# Altium PCB PCB1.PcbDoc (part 1 of 2)
Units mm, origin at the board's own origin, x right, y up, seen from the top; angles counter-clockwise.
Board outline 96.5 x 60 mm, 2 copper layers (Top Layer, Bottom Layer); 83 components, 140 nets, 424 pads, 145 vias.
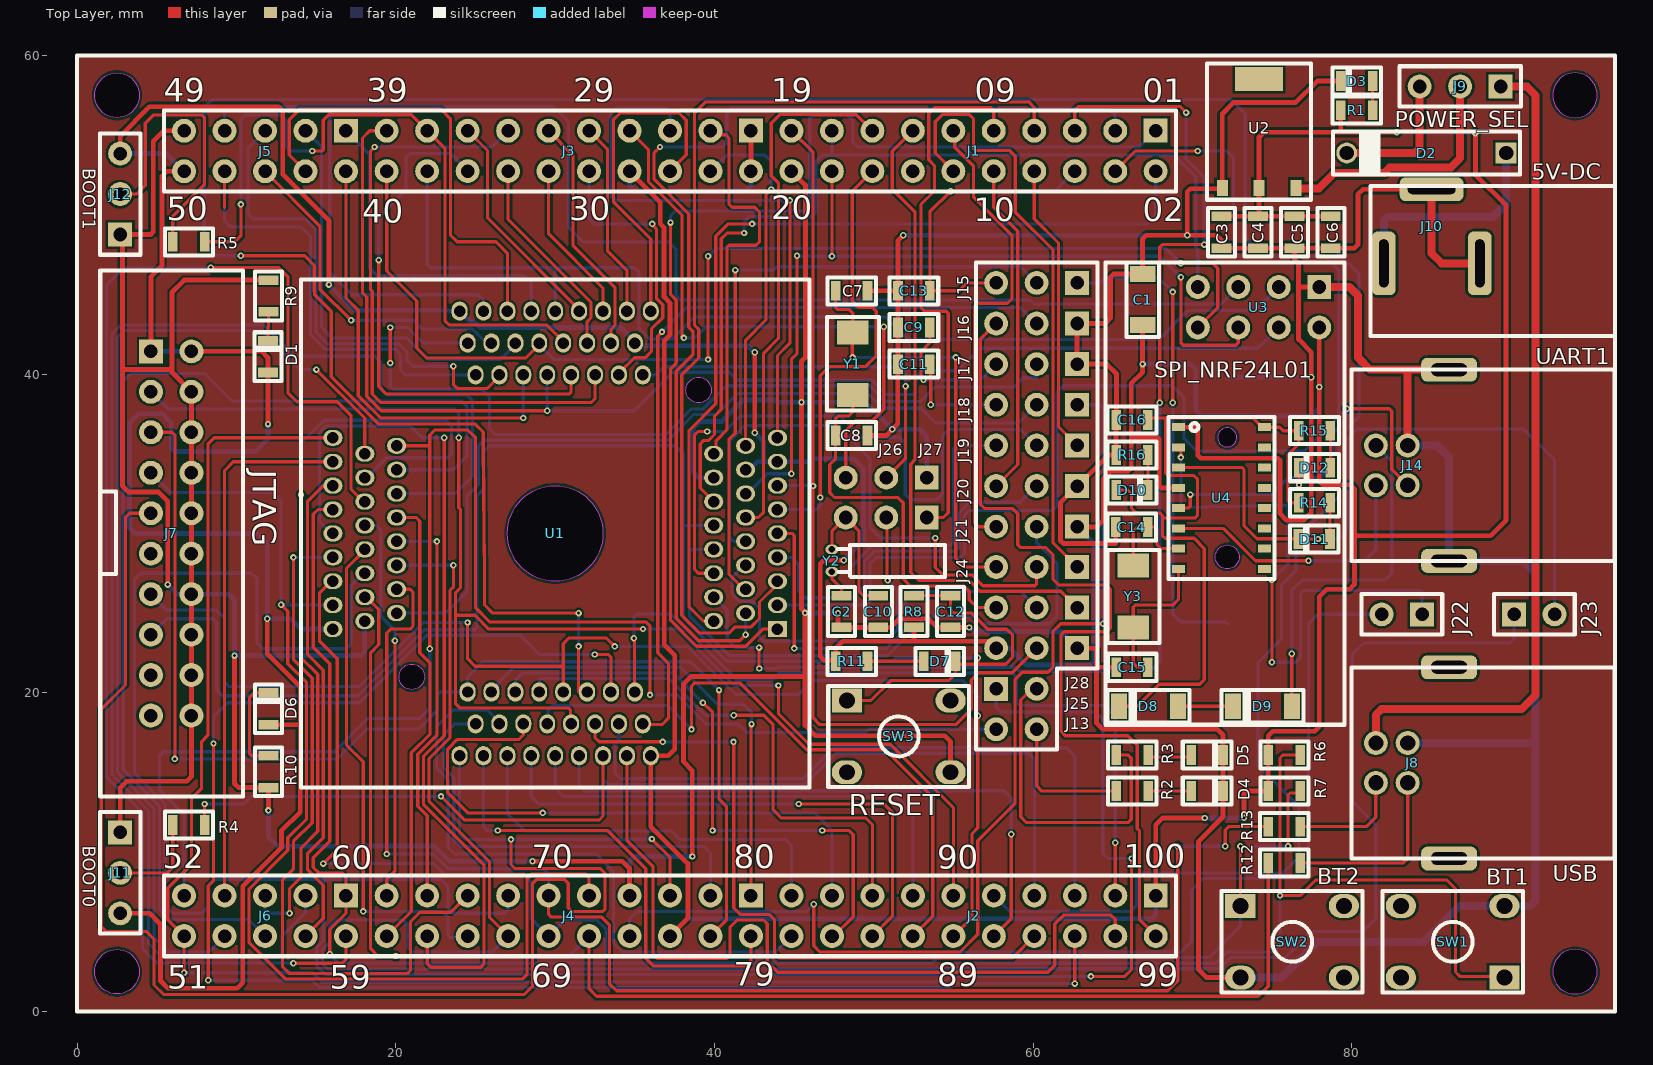
[diagram p0: Top Layer view]
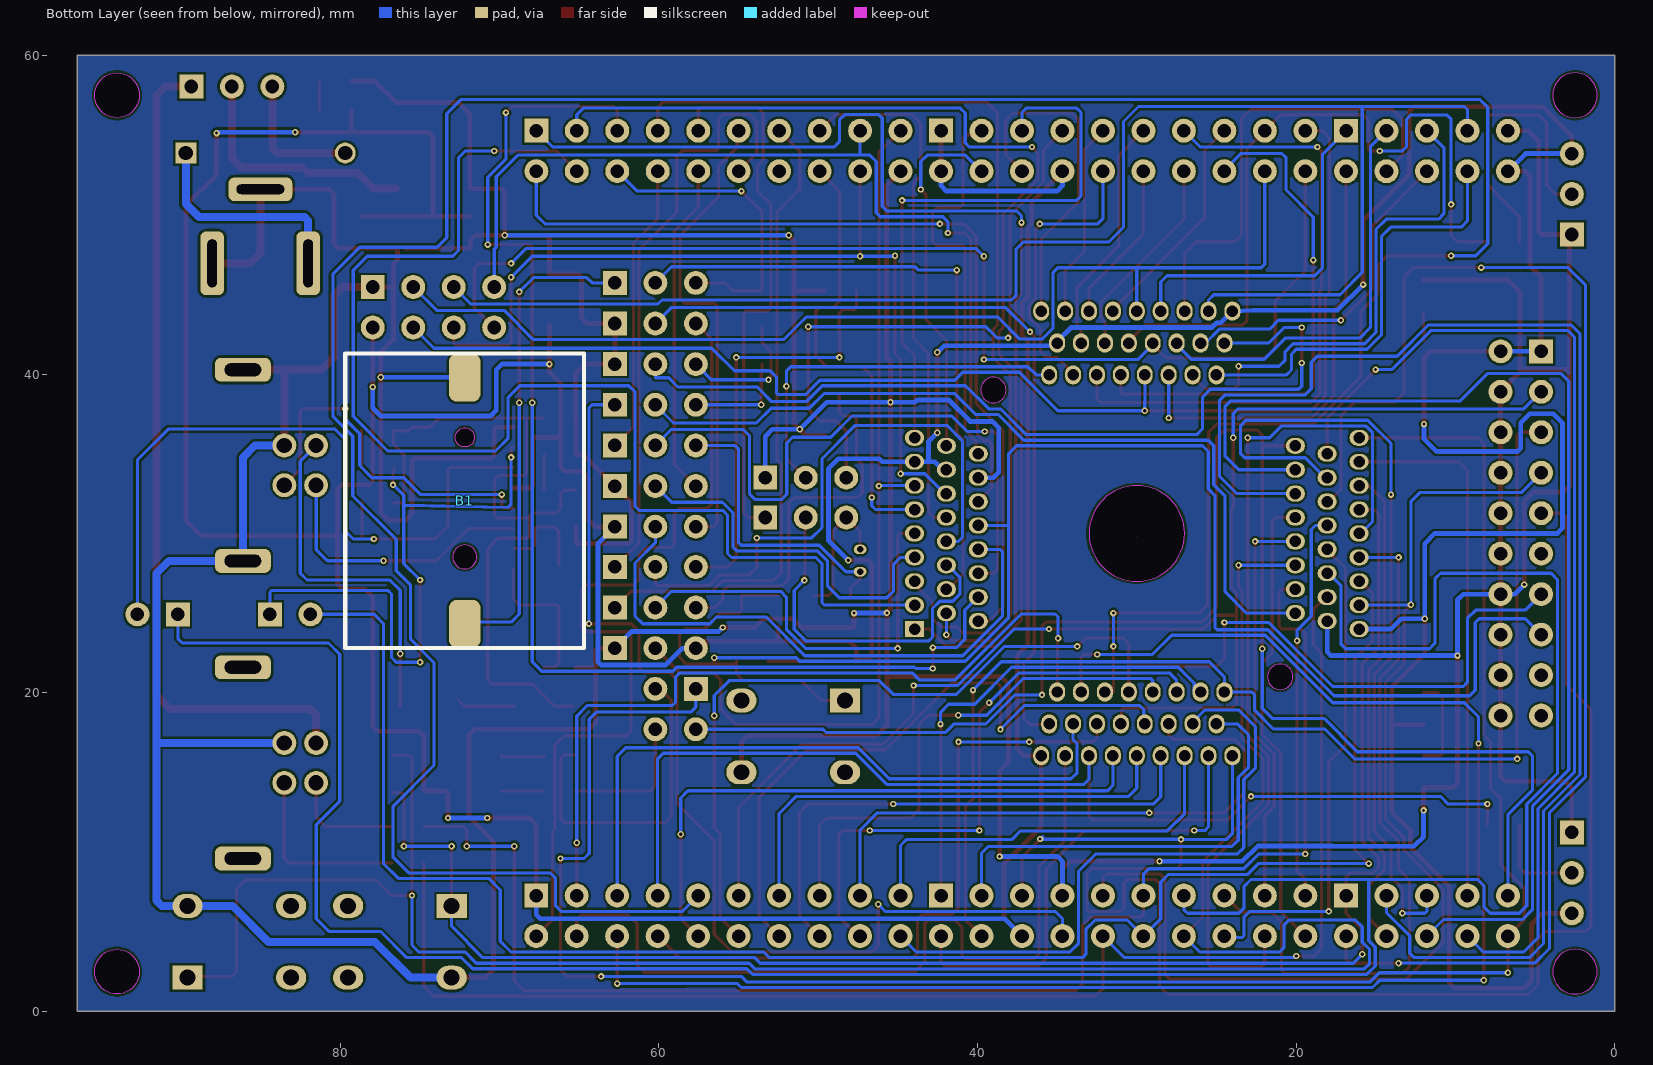
[diagram p1: Bottom Layer view, seen from below]

## Layer stack, top to bottom
Top Solder: solder mask 0.0102, Solder Resist, Dk 3.5
Top Layer: signal copper 0.0356
Dielectric 1: dielectric 0.32, FR-4, Dk 4.8
Bottom Layer: signal copper 0.0356
Bottom Solder: solder mask 0.0102, Solder Resist, Dk 3.5

## Board outline
0,0 0,60 96.5,60 96.5,0
cut-out: 92.6,57.5 ccw(c94,57.5) 94,56.1 ccw(c94,57.5) 95.4,57.5 ccw(c94,57.5) 94,58.9 ccw(c94,57.5)
cut-out: 92.6,2.5 ccw(c94,2.5) 94,1.1 ccw(c94,2.5) 95.4,2.5 ccw(c94,2.5) 94,3.9 ccw(c94,2.5)
cut-out: 2.5,1.1 cw(c2.5,2.5) 1.1,2.5 cw(c2.5,2.5) 2.5,3.9 cw(c2.5,2.5) 3.9,2.5 cw(c2.5,2.5)
cut-out: 2.5,56.1 cw(c2.5,57.5) 1.1,57.5 cw(c2.5,57.5) 2.5,58.9 cw(c2.5,57.5) 3.9,57.5 cw(c2.5,57.5)

## Design rules (kind name [scope] priority, off if disabled: settings)
Clearance [All] p1: gap=0.15 ignorepadtopadclearanceinfootprint=FALSE
PolygonConnect [All] p1: connectstyle=Relief reliefconductorwidth=0.254 reliefentries=4 polygonreliefangle="90 Angle" airgapwidth=0.254
RoutingCorners [All] p1: cornerstyle=45-Degree minsetback=1 maxsetback=1
RoutingTopology [All] p1: topology=Daisy_Balanced
RoutingVias [All] p1: holewidth=0.2 width=0.4 viastyle="Through Hole" minholewidth=0.2 minwidth=0.4 maxholewidth=0.2 maxwidth=0.4
SolderMaskExpansion [All] p1: expansion=0.102
UnpouredPolygon [All] p1: allowunpoured=TRUE allowshelved=TRUE
Width [All] p1: maxlimit=0.5 minlimit=0.2 preferedwidth=0.2
27 further rules are at their usual default settings.

## Components (designator, comment, footprint, x,y, rotation, side; value= is the part's Value field where it differs from the comment)
B1 "Batery" CR1220 72.175,32.225 r180 bottom
C1 "102pF" C1206 66.866,44.675 r90 top
C2 "22pF" C0805#1 47.975,25.1 r270 top
C3 "102pF" C0805#2 75.819,51.904 r270 top
C4 "102pF" C0805#2 78.101,51.904 r270 top
C5 "102pF" C0805#2 80.391,51.904 r270 top
C6 "102pF" C0805#2 82.676,51.904 r270 top
C7 "22pF" C0805#1 48.6,45.225 r0 top
C8 "22pF" C0805#1 48.6,36.144 r0 top
C9 "102pF" C0805#1 52.515,42.925 r180 top
C10 "22pF" C0805#1 50.278,25.1 r270 top
C11 "103" C0805#1 52.515,40.625 r180 top
C12 "103" C0805#1 54.812,25.1 r270 top
C13 "102pF" C0805#1 52.514,45.225 r0 top
C14 "22pF" C0805#1 66.175,30.4 r0 top
C15 "22pF" C0805#1 66.2,21.6 r0 top
C16 "103" C0805#1 66.2,37.125 r180 top
D1 "LED0805" L0805RED 12.6,41.1 r90 top
D2 "1N4007" DO-41 84.675,53.875 r180 top
D3 "LED0805" L0805RED 80.3,59.017 r180 top
D4 "LEDUser" L0805RED 70.909,13.205 r0 top
D5 "LEDUser" L0805RED 70.909,15.478 r0 top
D6 "LED0805" L0805RED 12.625,19 r90 top
D7 "LED0805" L0805RED 54.125,21.35 r0 top
D8 "1N4148" SOD-80 67.225,19.15 r180 top
D9 "1N4148" SOD-80 74.38,19.15 r180 top
D10 "LED0805" L0805RED 66.2,32.1 r0 top
D11 "LED0805" L0805RED 77.625,30.275 r180 top
D12 "LED0805" L0805RED 77.65,34.75 r180 top
J1 "Header 10x2 TH Pitch 2.54mm" "Header 10x2 TH Pitch 2.54mm" 56.255,54.005 r270 top
J2 "Header 10x2 TH Pitch 2.54mm" "Header 10x2 TH Pitch 2.54mm" 56.261,6.005 r270 top
J3 "Header 10x2 TH Pitch 2.54mm" "Header 10x2 TH Pitch 2.54mm" 30.855,54.005 r270 top
J4 "Header 10x2 TH Pitch 2.54mm" "Header 10x2 TH Pitch 2.54mm" 30.855,6.005 r270 top
J5 "Header 5x2 TH Pitch 2.54mm" "Header 5x2 TH Pitch 2.54mm" 11.79,54 r270 top
J6 "Header 5x2 TH Pitch 2.54mm" "Header 5x2 TH Pitch 2.54mm" 11.79,6.005 r270 top
J7 "JTAG" IDC_CONNECTOR_20_2.54 5.9,30 r0 top
J8 "USB" USB-B-TYPE 82.5,15.6 r180 top
J9 "POWER_SEL" "Header 3x1 TH Pitch 2.54mm" 86.79,58.05 r180 top
J10 "5V-DC" DC_JACK_161-0721 88.025,46.95 r90 top
J11 "BOOT0" "Header 3x1 TH Pitch 2.54mm" 2.7,8.7 r270 top
J12 "BOOT1" "Header 3x1 TH Pitch 2.54mm" 2.7,51.3 r90 top
J13 "Header 2x2 TH Pitch 2.54mm" "Header 2x2 TH Pitch 2.54mm" 58.945,18.98 r0 top
J14 "UART1" USB-B-TYPE 82.5,34.275 r180 top
J15 "Header 3x1 TH Pitch 2.54mm" "Header 3x1 TH Pitch 2.54mm" 60.215,45.725 r180 top
J16 "Header 3x1 TH Pitch 2.54mm" "Header 3x1 TH Pitch 2.54mm" 60.215,43.175 r180 top
J17 "Header 3x1 TH Pitch 2.54mm" "Header 3x1 TH Pitch 2.54mm" 60.215,40.625 r180 top
J18 "Header 3x1 TH Pitch 2.54mm" "Header 3x1 TH Pitch 2.54mm" 60.215,38.075 r180 top
J19 "Header 3x1 TH Pitch 2.54mm" "Header 3x1 TH Pitch 2.54mm" 60.215,35.525 r180 top
J20 "Header 3x1 TH Pitch 2.54mm" "Header 3x1 TH Pitch 2.54mm" 60.215,32.975 r180 top
J21 "Header 3x1 TH Pitch 2.54mm" "Header 3x1 TH Pitch 2.54mm" 60.215,30.425 r180 top
J22 "Header 2x1 TH Pitch 2.54mm" "Header 2x1 TH Pitch 2.54mm" 83.13,24.925 r180 top
J23 "Header 2x1 TH Pitch 2.54mm" "Header 2x1 TH Pitch 2.54mm" 91.445,24.925 r0 top
J24 "Header 3x1 TH Pitch 2.54mm" "Header 3x1 TH Pitch 2.54mm" 60.215,27.9 r180 top
J25 "Header 3x1 TH Pitch 2.54mm" "Header 3x1 TH Pitch 2.54mm" 60.215,22.8 r180 top
J26 "Header 3x1 TH Pitch 2.54mm" "Header 3x1 TH Pitch 2.54mm" 50.775,31 r180 top
J27 "Header 3x1 TH Pitch 2.54mm" "Header 3x1 TH Pitch 2.54mm" 50.775,33.5 r180 top
J28 "Header 3x1 TH Pitch 2.54mm" "Header 3x1 TH Pitch 2.54mm" 60.215,25.35 r180 top
R1 "100" R0805#1 81.3,56.564 r0 top
R2 "100" R0805#1 65.21,13.83 r180 top
R3 "100" R0805#1 65.209,16.103 r180 top
R4 "1k" R0805#2 7,11.7 r180 top
R5 "1k" R0805#2 7,48.3 r180 top
R6 "10k" R0805#2 75.75,16.1 r180 top
R7 "10k" R0805#2 75.75,13.83 r180 top
R8 "10K" R0805#1 52.515,24.1 r270 top
R9 "100" R0805#1 12,45.9 r90 top
R10 "100" R0805#1 12,14.05 r270 top
R11 "1K" R0805#1 47.6,21.975 r180 top
R12 "22" R0805#1 74.75,9.325 r180 top
R13 "22" R0805#1 74.75,11.6 r180 top
R14 "1K" R0805#1 78.65,31.925 r0 top
R15 "1K" R0805#1 78.65,36.45 r0 top
R16 "100" R0805#1 65.2,34.925 r180 top
SW1 "BT1" BUTTON_HOLE_5.0mm 86.325,4.375 r270 top
SW2 "BT2" BUTTON_HOLE_5.0mm 76.25,4.375 r90 top
SW3 "RESET" BUTTON_HOLE_5.0mm 51.562,17.265 r90 top
U1 "OTQ-100-0.5-12" "ENPLAS OTQ-100-0.5-12" 30,30 r0 top
U2 "AMS1117" SOT223-3 74.168,55.141 r0 top
U3 "SPI_NRF24L01" nRF24L01 74.138,44.195 r90 top
U4 "CH340G" SOP16_1.27_3.8 71.819,32.225 r0 top
Y1 "8MHz" SMD5032 48.675,42.6 r90 top
Y2 "32.768KHz" DT-26 47.215,28.3 r180 top
Y3 "12MHz" SMD5032 66.275,28 r90 top

## Footprints (in the part's own frame and the unit in brackets; to place one, negate y for a bottom-side part, rotate by r counter-clockwise, add the part's x,y. Pads: shape width x height; smd on the part's side, far side on the other; paste and mask are expansions set on the pad)
BUTTON_HOLE_5.0mm [mm]
  rect 1.5x1.9 hole 1: 1(2.25,3.25)
  oval 1.5x1.9 hole 1: 2(2.25,-3.25) 3(-2.25,3.25) 4(-2.25,-3.25)
  silkscreen extent -3.17,-4.4 3.18,4.43, body extent -3,-3.86 3,3.86, height 5
C0805#1 [mm]
  rect 0.6x1.24 smd: 1(-1,0) 2(1,0)
  silkscreen extent -1.52,-0.85 1.53,0.85, body extent -1,-0.6 1,0.6, height 1
C0805#2 [mm]
  rect 0.6x1.24 smd: 1(2,-4) 2(4,-4)
  silkscreen extent 1.48,-4.85 4.53,-3.15, body extent 2,-4.62 4,-3.37, height 0.58
C1206 [mm]
  rect 1x1.6 smd: 1(-1.6,0) 2(1.6,0)
  silkscreen extent -2.34,-1.02 2.34,1.02, body extent -1.6,-0.8 1.6,0.8, height 0.75
CR1220 [mm]
  rrect50% 2x3 smd: 1(0,-7.9) 2(0,7.55)
  Keep-Out Layer board cut-out: 0,3.2 -0.23,3.246 -0.424,3.376 -0.554,3.57 -0.6,3.8 -0.6,3.8 -0.554,4.03 -0.424,4.224 -0.23,4.354 0,4.4 0,4.4 0.23,4.354 0.424,4.224 0.554,4.03 0.6,3.8 0.6,3.8 0.554,3.57 0.424,3.376 0.23,3.246 0,3.2
  Keep-Out Layer board cut-out: -0.75,-3.7 -0.693,-3.987 -0.53,-4.23 -0.287,-4.393 0,-4.45 0,-4.45 0.287,-4.393 0.53,-4.23 0.693,-3.987 0.75,-3.7 0.75,-3.7 0.693,-3.413 0.53,-3.17 0.287,-3.007 0,-2.95 0,-2.95 -0.287,-3.007 -0.53,-3.17 -0.693,-3.413 -0.75,-3.7
  silkscreen extent -7.5,-9.43 7.5,9.07, body extent -7.5,-9.43 7.5,9.07, height 4.04
DC_JACK_161-0721 [mm]
  rrect50% 4x1.5 hole 0.6 slot 3 at 0 deg: 1(0,6.025) 2(0,0)
  rrect50% 1.5x4 hole 0.6 slot 3 at 90 deg: 3(4.65,3.025)
  silkscreen extent -4.55,-8.47 4.85,6.85, body extent -4.53,-8.5 4.83,6.8, height 11
DO-41 [mm]
  rect 1.3x1.3 hole 0.9: 1(-5,0)
  round 1.3 hole 0.9: 2(5,0)
  silkscreen extent -5.87,-1.36 5.87,1.36, body extent -5.43,-1.36 5.43,1.36, height 3.36
DT-26 [mm]
  oval 0.8x0.6 hole 0.4: 1(-0.15,0.7) 2(-0.15,-0.7)
  silkscreen extent -7.24,-0.98 -0.54,1.02, body extent -7.14,-1 0,1, height 2
"ENPLAS OTQ-100-0.5-12" [mm]
  rect 1.2x1 hole 0.72: 1(13.95,-6)
  oval 1.2x1 hole 0.72: 2(9.95,-5.5) 3(11.95,-5) 4(13.95,-4.5) 5(9.95,-4) 6(11.95,-3.5) 7(13.95,-3) 8(9.95,-2.5) 9(11.95,-2) 10(13.95,-1.5) 11(9.95,-1) 12(11.95,-0.5) 13(13.95,0) 14(9.95,0.5) 15(11.95,1) 16(13.95,1.5) 17(9.95,2) 18(11.95,2.5) 19(13.95,3) 20(9.95,3.5) 21(11.95,4) 22(13.95,4.5) 23(9.95,5) 24(11.95,5.5) 25(13.95,6) 51(-13.95,6) 52(-9.95,5.5) 53(-11.95,5) 54(-13.95,4.5) 55(-9.95,4) 56(-11.95,3.5) 57(-13.95,3) 58(-9.95,2.5) 59(-11.95,2) 60(-13.95,1.5) 61(-9.95,1) 62(-11.95,0.5) 63(-13.95,0) 64(-9.95,-0.5) 65(-11.95,-1) 66(-13.95,-1.5) 67(-9.95,-2) 68(-11.95,-2.5) 69(-13.95,-3) 70(-9.95,-3.5) 71(-11.95,-4) 72(-13.95,-4.5) 73(-9.95,-5) 74(-11.95,-5.5) 75(-13.95,-6)
  oval 1x1.2 hole 0.72: 26(6,13.95) 27(5.5,9.95) 28(5,11.95) 29(4.5,13.95) 30(4,9.95) 31(3.5,11.95) 32(3,13.95) 33(2.5,9.95) 34(2,11.95) 35(1.5,13.95) 36(1,9.95) 37(0.5,11.95) 38(0,13.95) 39(-0.5,9.95) 40(-1,11.95) 41(-1.5,13.95) 42(-2,9.95) 43(-2.5,11.95) 44(-3,13.95) 45(-3.5,9.95) 46(-4,11.95) 47(-4.5,13.95) 48(-5,9.95) 49(-5.5,11.95) 50(-6,13.95) 76(-6,-13.95) 77(-5.5,-9.95) 78(-5,-11.95) 79(-4.5,-13.95) 80(-4,-9.95) 81(-3.5,-11.95) 82(-3,-13.95) 83(-2.5,-9.95) 84(-2,-11.95) 85(-1.5,-13.95) 86(-1,-9.95) 87(-0.5,-11.95) 88(0,-13.95) 89(0.5,-9.95) 90(1,-11.95) 91(1.5,-13.95) 92(2,-9.95) 93(2.5,-11.95) 94(3,-13.95) 95(3.5,-9.95) 96(4,-11.95) 97(4.5,-13.95) 98(5,-9.95) 99(5.5,-11.95) 100(6,-13.95)
  Keep-Out Layer board cut-out: 0,-3 -1.148,-2.772 -2.121,-2.121 -2.772,-1.148 -3,0 -3,0 -2.772,1.148 -2.121,2.121 -1.148,2.772 0,3 0,3 1.148,2.772 2.121,2.121 2.772,1.148 3,0 3,0 2.772,-1.148 2.121,-2.121 1.148,-2.772 0,-3
  Keep-Out Layer board cut-out: 9,8.2 8.694,8.261 8.434,8.434 8.261,8.694 8.2,9 8.2,9 8.261,9.306 8.434,9.566 8.694,9.739 9,9.8 9,9.8 9.306,9.739 9.566,9.566 9.739,9.306 9.8,9 9.8,9 9.739,8.694 9.566,8.434 9.306,8.261 9,8.2
  Keep-Out Layer board cut-out: -9,-9.8 -9.306,-9.739 -9.566,-9.566 -9.739,-9.306 -9.8,-9 -9.8,-9 -9.739,-8.694 -9.566,-8.434 -9.306,-8.261 -9,-8.2 -9,-8.2 -8.694,-8.261 -8.434,-8.434 -8.261,-8.694 -8.2,-9 -8.2,-9 -8.261,-9.306 -8.434,-9.566 -8.694,-9.739 -9,-9.8
  Keep-Out Layer board cut-out: 0.027,-0.163
  silkscreen extent -15.95,-15.95 15.95,15.95
"Header 2x1 TH Pitch 2.54mm" [mm]
  rect 1.5x1.5 hole 0.85: 1(-1.27,0)
  round 1.5 hole 0.85: 2(1.27,0)
  body extent -2.54,-1.27 2.54,1.27, height 8.89
"Header 2x2 TH Pitch 2.54mm" [mm]
  rect 1.5x1.5 hole 0.85: 1(-1.27,1.27)
  round 1.5 hole 0.85: 2(1.27,1.27) 3(-1.27,-1.27) 4(1.27,-1.27)
  body extent -2.54,-2.54 2.54,2.54, height 8.89
"Header 3x1 TH Pitch 2.54mm" [mm]
  rect 1.5x1.5 hole 0.85: 1(-2.54,0)
  round 1.5 hole 0.85: 2(0,0) 3(2.54,0)
  body extent -3.81,-1.27 3.81,1.27, height 8.89
"Header 5x2 TH Pitch 2.54mm" [mm]
  rect 1.5x1.5 hole 0.85: 1(-1.27,5.08)
  round 1.5 hole 0.85: 2(1.27,5.08) 3(-1.27,2.54) 4(1.27,2.54) 5(-1.27,0) 6(1.27,0) 7(-1.27,-2.54) 8(1.27,-2.54) 9(-1.27,-5.08) 10(1.27,-5.08)
  body extent -2.54,-6.35 2.54,6.35, height 8.89
"Header 10x2 TH Pitch 2.54mm" [mm]
  rect 1.5x1.5 hole 0.85: 1(-1.27,11.43)
  round 1.5 hole 0.85: 2(1.27,11.43) 3(-1.27,8.89) 4(1.27,8.89) 5(-1.27,6.35) 6(1.27,6.35) 7(-1.27,3.81) 8(1.27,3.81) 9(-1.27,1.27) 10(1.27,1.27) 11(-1.27,-1.27) 12(1.27,-1.27) 13(-1.27,-3.81) 14(1.27,-3.81) 15(-1.27,-6.35) 16(1.27,-6.35) 17(-1.27,-8.89) 18(1.27,-8.89) 19(-1.27,-11.43) 20(1.27,-11.43)
  body extent -2.54,-12.7 2.54,12.7, height 8.89
IDC_CONNECTOR_20_2.54 [mm]
  rect 1.5x1.5 hole 0.85: 1(-1.27,11.43)
  round 1.5 hole 0.85: 2(1.27,11.43) 3(-1.27,8.89) 4(1.27,8.89) 5(-1.27,6.35) 6(1.27,6.35) 7(-1.27,3.81) 8(1.27,3.81) 9(-1.27,1.27) 10(1.27,1.27) 11(-1.27,-1.27) 12(1.27,-1.27) 13(-1.27,-3.81) 14(1.27,-3.81) 15(-1.27,-6.35) 16(1.27,-6.35) 17(-1.27,-8.89) 18(1.27,-8.89) 19(-1.27,-11.43) 20(1.27,-11.43)
  silkscreen extent -4.45,-16.5 4.5,16.5, body extent -4.47,-16.6 4.42,16.6, height 9
L0805RED [mm]
  rect 0.6x1.24 smd: 1(-1,0.625) 2(1,0.625)
  silkscreen extent -1.53,-0.23 1.52,1.47, body extent -1,0 1,1.25, height 1.1
nRF24L01 [mm]
  rect 1.5x1.5 hole 0.85: 1(1.27,-3.81)
  round 1.5 hole 0.85: 2(-1.27,-3.81) 3(1.27,-1.27) 4(-1.27,-1.27) 5(1.27,1.27) 6(-1.27,1.27) 7(1.27,3.81) 8(-1.27,3.81)
  silkscreen extent -26.2,-5.4 2.8,9.6, body extent -26.2,-5.4 2.8,9.6, height 11.02
R0805#1 [mm]
  rect 0.6x1.24 smd: 1(-2,0) 2(0,0)
  silkscreen extent -2.52,-0.85 0.52,0.85, body extent -2,-0.62 0,0.62, height 0.45
R0805#2 [mm]
  rect 0.6x1.24 smd: 1(-1,0) 2(1,0)
  silkscreen extent -1.53,-0.85 1.5,0.85, body extent -1,-0.62 1,0.63, height 0.45
SMD5032 [mm]
  rect 1.5x2 smd: 1(-3.9,0) 2(0,0)
  silkscreen extent -4.87,-1.65 0.97,1.62, body extent -4.45,-1.6 0.55,1.6, height 1.2
SOD-80 [mm]
  rect 1x1.6 smd: 1(-1.85,0) 2(1.85,0)
  silkscreen extent -2.58,-1.03 2.57,1.03, body extent -1.82,-0.8 1.88,0.8, height 1.6
SOP16_1.27_3.8 [mm]
  rect 0.8x0.5 smd: 1(-2.7,4.445) 2(-2.7,3.175) 3(-2.7,1.905) 4(-2.7,0.635) 5(-2.7,-0.635) 6(-2.7,-1.905) 7(-2.7,-3.175) 8(-2.7,-4.445) 9(2.7,-4.445) 10(2.7,-3.175) 11(2.7,-1.905) 12(2.7,-0.635) 13(2.7,0.635) 14(2.7,1.905) 15(2.7,3.175) 16(2.7,4.445)
  silkscreen extent -3.32,-5.08 3.33,5.08, body extent -3.12,-4.99 3.12,4.99, height 1.59
SOT223-3 [mm]
  rect 0.7x1 smd: 1(-2.3,-3.475) 2(0,-3.45) 3(2.325,-3.45)
  rect 3x1.5 smd: 4(0,3.375)
  silkscreen extent -3.25,-4.2 3.25,4.35, body extent -3.25,-3.5 3.25,3.5, height 1.7
USB-B-TYPE [mm]
  round 1.5 hole 0.95: 1(1,-1.25) 2(1,1.25) 3(-1,1.25) 4(-1,-1.25)
  rrect50% 3.5x1.5 hole 0.8 slot 2.3 at 0 deg: S1(-3.6,6) S2(-3.6,-6)
  silkscreen extent -13.98,-6 2.52,6, body extent -13.97,-7.42 2.53,7.37, height 11

## Part data
C1 C3 C4 C5 C6 C7 C9 C13: library part Capacitors(SMD)
C2 C8 C10 C11 C12 C14 C15 C16: library part C0805
D4 D5: library part LED0805
D8 D9: library part "1N4148 (SOD-80)"
J7: library part IDC_2.54_10x2
J8 J14: library part "USB B Type"
J9 J11 J12: library part "Header 3x1 TH Pitch 2.54mm"
J10: library part JackDC
R1 R2 R3 R8 R14 R15 R16: library part R0805
R4 R5 R6 R7 R9 R10 R11 R12 R13: library part "Resistor SMD"
SW1 SW2 SW3: library part "Button Hole"
U1: library part "ENPLAS OTQ-100-0.5-12"
U2: library part AMS1117(SOT-223)
U3: library part nRF24L01
Y1 Y3: library part Crystal
Y2: library part "Crystal 32.768KHz"

## Via types
v1: diameter 0.4, hole 0.2, Top Layer to Bottom Layer, 145 vias

## Nets (pads, with @x,y where several pads share a name; then routed paths per layer and width w, separated by ;. In a path a pad name is that pad's centre, name@x,y a point inside that pad or via, vN(x,y) a via of type N, cw(c..) or ccw(c..) an arc to the next point about the centre after c; other vN are vias at no path point)
CE: J3.18 U1.38 U3.3 | length 68.5
  Bottom Layer w0.2: J3.18@21.965,52.735 21.965,46.894 22.183,46.676 30,46.676 ; U1.38@30,43.95 30,46.676 ; U3.3@75.408,45.465 73.943,44 69.704,44 67.868,42.164 52.171,42.164 50.748,43.586 38.731,43.586 37.342,42.197 35.947,42.197 35.25,42.893 35.25,46.38 34.955,46.676 30,46.676
CSN: J3.19 U1.39 U3.4 | length 81.8
  Top Layer w0.2: J3.19@19.425,55.275 18.363,55.275 17.906,54.818 17.906,45.107 18.172,44.841 18.172,38.608 19.085,37.695 v1(29.5,37.695)
  Bottom Layer w0.2: U1.39@29.5,39.95 29.487,39.938 29.487,38.312 29.5,38.3 v1(29.5,37.695) 34.951,37.695 37.368,40.112 40.924,40.112 41.418,39.618 49.888,39.618 50.79,38.716 52.522,38.716 52.615,38.809 52.615,39.81 53.012,40.207 55.249,40.207 56.667,41.625 74.108,41.625 U3.4@75.408,42.925
GND: B1.2 C1.2 C2.2 C3.2 C4.2 C5.2 C6.2 C7.2 C8.2 C9.2 C10.2 C11.2 C12.2 C13.1 C14.1 C15.1 C16.2 D3.2 D4.2 D5.2 J1.20 J4.7 J5.9 J7.4 J7.6 J7.8 J7.10 J7.12 J7.14 J7.16 J7.18 J7.20 J8.4 J10.2 J10.3 J11.1 J12.1 J14.4 J14.S1 J14.S2 J16.1 J17.1 J20.1 J25.1 J27.1 R9.2 R10.2 R16.2 SW1.3 SW2.3 SW3.4 U1.20 U1.74 U2.1 U3.1 U4.1 | length 520.2
  Top Layer w0.3: J11.1@2.7,11.24 2.7,14.05 3.1,14.45 6.888,14.45 7.17,14.732 J7.20@7.17,18.57 J7.18@7.17,21.11 J7.16@7.17,23.65 J7.14@7.17,26.19 J7.12@7.17,28.73 J7.10@7.17,31.27 J7.8@7.17,33.81 J7.6@7.17,36.35 J7.4@7.17,38.89 5.952,40.109 5.952,40.284 ; J12.1@2.7,48.76 J12.1@2.844,48.76 ; v1(5.689,26.787) 5.689,32.017 5.108,32.598 3.229,32.598 2.844,32.983 2.844,40.284 ; J5.9@6.71,55.27 5.425,55.27 4.775,54.62 4.775,48.925 4.61,48.76 J12.1@2.844,48.76 ; v1(9.875,22.333) 9.875,14.305 10.13,14.05 R10.2@12,14.05 v1(12,12.617) ; R9.2@12,45.9 6.71,45.9 5.952,45.142 5.952,40.284 ; v1(28.574,9.423) 34.208,9.423 34.665,8.966 J4.7@34.665,7.275 ; v1(38.607,9.728) 38.607,15.118 38.056,15.67 38.056,20.556 38.518,21.018 45.686,21.018 v1(45.686,25.014) 45.686,25.041 45.458,25.269 v1(45.458,38.231) 45.458,40.801 45.7,41.043 45.7,51.86 J1.20@44.825,52.735 ; 45.686,20.96 45.686,17.948 46.331,17.303 54.433,17.303 54.812,16.925 SW3.4@54.812,15.015 ; v1(47.751,25) 47.751,24.1 C2.2@47.975,24.1 C10.2@50.279,24.1 51.049,24.1 51.602,24.653 53.421,24.653 53.974,24.1 C12.2@54.812,24.1 v1(55.99,24.1) ; C8.2@49.6,36.145 50.766,36.145 v1(51.155,36.534) 51.494,36.873 51.494,40.604 C11.2@51.515,40.625 C9.2@51.515,42.925 C13.1@51.515,45.225 ; C7.2@49.6,45.225 50.545,45.225 ; 50.545,45.225 C13.1@51.515,45.225 51.515,48.391 v1(51.841,48.717) ; J25.1@62.755,22.8 63.805,22.8 63.978,22.627 63.978,21.6 ; C14.1@65.175,30.4 65.175,29.375 61.881,29.375 61.705,29.551 61.705,31.925 J20.1@62.755,32.975 64.695,34.915 64.695,34.925 R16.2@65.175,34.925 ; C15.1@65.2,21.6 63.978,21.6 ; R16.2@65.2,34.925 65.2,37.05 65.175,37.075 65.225,37.125 65.225,40.022 64.622,40.625 J17.1@62.755,40.625 J16.1@62.755,43.175 64.505,43.175 64.845,43.515 64.845,46.076 65.045,46.275 C1.2@66.866,46.275 66.866,48.491 67.092,48.718 67.258,48.718 v1(69.671,48.717) ; U4.1@69.119,36.67 70.211,36.67 70.328,36.553 70.328,34.894 70.503,34.719 75.358,34.719 75.488,34.588 75.488,31.233 75.888,30.834 76.984,30.834 77.448,31.298 77.448,39.798 v1(77.45,39.8) 77.45,41.375 76.65,42.175 76.65,45.465 ; U2.1@71.868,51.636 69.868,51.636 69.671,51.439 v1(69.671,48.717) ; U2.1@71.868,51.666 71.868,56.322 72.596,57.05 76.477,57.05 77.819,58.392 D3.2@79.3,58.392 ; SW2.3@73,2.125 70.879,2.125 70.375,2.629 70.375,10.673 71.909,12.207 D4.2@71.909,13.83 D5.2@71.909,16.103 71.909,17.356 71.555,17.71 64.359,17.71 63.978,18.092 63.978,21.6 ; C5.2@75.946,47.904 C4.2@74.101,47.904 C3.2@71.819,47.904 71.819,48.409 71.51,48.717 v1(69.671,48.717) ; U3.1@77.948,45.465 76.65,45.465 ; J14.S1@84.505,28.275 J14.S1@86.1,28.275 ; J10.3@85,51.6 80.7,51.6 80.375,51.275 80.375,48.125 80.154,47.904 C6.2@78.677,47.904 C5.2@76.391,47.904 76.391,47.211 76.65,46.952 76.65,45.465 ; SW1.3@88.747,6.625 SW1.3@89.575,6.625 ; 2.844,40.284 J12.1@2.844,48.76 ; 2.844,40.284 5.952,40.284
  Top Layer w0.5: U3.1@77.948,45.465 79.85,45.465 80.375,44.94 80.375,41.046 81.146,40.275 83.5,40.275 ; J14.4@83.5,35.525 83.5,40.275 ; J10.3@85,51.6 85,47.582 85.632,46.95 J10.2@88.025,46.95 ; J14.S2@86.1,40.275 83.5,40.275
  Bottom Layer w0.3: v1(5.689,26.787) 6.286,26.19 J7.14@7.17,26.19 9.519,26.19 9.875,25.834 v1(9.875,22.333) 17.823,22.333 18.05,22.561 U1.74@18.05,24.5 ; v1(12,12.617) 12,10.98 12.617,10.363 17.718,10.363 17.735,10.381 22.415,10.381 23.372,9.423 v1(28.574,9.423) ; J4.7@34.665,7.275 34.665,9.419 34.975,9.728 v1(38.607,9.728) ; U1.20@39.95,33.5 39,33.5 38.668,33.832 38.668,36.619 39.077,37.028 40.466,37.028 41.817,38.379 43.769,38.379 43.917,38.231 v1(45.458,38.231) 49.458,38.231 v1(51.155,36.534) 52.866,36.534 53.315,36.085 J27.1@53.315,33.5 ; v1(45.686,25.014) 47.737,25.014 v1(47.751,25) ; v1(51.841,48.717) v1(69.671,48.717) ; v1(55.99,24.1) 56.24,23.851 61.704,23.851 J25.1@62.755,22.8 ; B1.2@72.175,39.775 72.175,39.751 72.224,39.8 v1(77.45,39.8)
  Bottom Layer w0.5: SW2.3@73,2.125 75.575,2.125 77.819,4.369 84.484,4.369 86.74,6.625 SW1.3@89.575,6.625 91.185,6.625 91.525,6.965 91.525,16.85 ; J8.4@83.5,16.85 91.525,16.85 ; J14.4@83.5,35.525 85.349,35.525 86.1,34.774 J14.S1@86.1,28.275 90.75,28.275 91.525,27.5 91.525,16.85
IRQ: J3.20 U1.40 U3.8 | length 74.8
  Top Layer w0.2: J3.20@19.425,52.735 19.425,46.468 21.306,44.587 21.306,41.636 21.933,41.01 28.16,41.01 29,41.85 U1.40@29,41.95 ; v1(39.598,40.919) v1(39.598,47.396) ; v1(69.265,46.95) 71.26,46.95 71.575,46.635 71.575,44.172 U3.8@70.328,42.925
  Bottom Layer w0.2: U1.40@29,41.95 29,41.85 29.943,40.907 39.585,40.907 v1(39.598,40.919) ; v1(39.598,47.396) 40.079,47.877 68.338,47.877 v1(69.265,46.95)
JNRST: J2.11 J7.3 U1.90 | length 89.3
  Top Layer w0.2: v1(23.951,36) 23.951,31.617 24.06,31.509 24.06,26.588 23.75,26.278 23.75,24.867 ; U1.90@31,18.05 30.966,18.084 30.966,18.898 30.814,19.05 24,19.05 23.75,19.3 23.75,24.867 ; v1(35.508,24) 25.833,24 24.967,24.867 23.75,24.867 ; v1(44.005,20.46) 44.005,18.701 45.93,16.775 51.015,16.775 54.991,12.799 J2.11@54.991,7.275
  Bottom Layer w0.2: J7.3@4.63,38.89 5.707,37.813 23.648,37.813 23.951,37.51 v1(23.951,36) ; v1(35.508,24) 37.707,24 41.247,20.46 v1(44.005,20.46)
JTCK: J4.5 J7.9 U1.76 | length 103
  Top Layer w0.2: J7.9@4.63,31.27 3.285,31.27 3.036,31.021 3.036,20.488 1.51,18.962 1.51,5.316 1.801,5.026 4.339,5.026 4.825,4.54 4.825,1.664 5.427,1.063 28.047,1.063 28.585,1.601 28.585,8.059 28.8,8.273 29.149,8.273 29.151,8.275 30.609,8.275 30.825,8.059 30.825,6.505 31.055,6.275 32.992,6.275 33.125,6.408 33.125,8.687 32.837,8.975 28.762,8.975 28.761,8.973 27.479,8.973 27.228,9.224 v1(27.228,10.801) ; v1(36.067,10.82) 37.205,9.683 J4.5@37.205,7.275
  Bottom Layer w0.2: U1.76@24,16.05 24,11.154 24.353,10.801 v1(27.228,10.801) 27.238,10.811 36.057,10.811 v1(36.067,10.82) 35.908,10.98
JTDI: J4.4 J7.5 U1.77 | length 76.5
  Top Layer w0.2: J7.5@4.63,36.35 5.952,36.35 6.139,36.163 6.139,15.868 v1(6.121,15.85) ; J4.4@39.745,4.735 40.745,5.735 40.745,12.869 40.284,13.331 v1(40.284,20.168)
  Bottom Layer w0.2: v1(6.121,15.85) 6.125,15.846 16.321,15.846 18.205,17.729 21.427,17.729 22.605,18.907 22.605,19.869 22.786,20.05 U1.77@24.5,20.05 24.5,20.999 25.453,21.951 38.5,21.951 v1(40.284,20.168)
JTDO: J2.12 J7.13 U1.89 | length 81.9
  Top Layer w0.2: v1(24.505,24.409) 24.505,22.127 24.967,21.665 30.5,21.665 ; U1.89@30.5,20.05 30.5,21.665 ; v1(33.735,22.911) 33.206,23.44 30.851,23.44 30.5,23.089 30.5,21.665 ; J2.12@54.991,4.735 56.164,5.908 56.164,11.171 56.514,11.521 v1(56.514,18.558)
  Bottom Layer w0.2: J7.13@4.63,26.19 5.63,25.19 8.725,25.19 9.25,24.665 9.25,20.665 9.519,20.396 17.714,20.396 21.727,24.409 v1(24.505,24.409) ; v1(33.735,22.911) 38.301,22.911 41.313,19.898 45.289,19.898 46.157,20.767 55.575,20.767 56.514,19.827 v1(56.514,18.558)
JTMS: J4.9 J7.7 U1.72 | length 71.8
  Top Layer w0.2: v1(12.801,25.527) 13.22,25.108 13.22,21.826 14.398,20.648 14.398,12.081 13.22,10.903 13.22,10.119 10.79,7.689 10.79,4.321 13.068,2.043 27.952,2.043 28.235,2.327 28.235,8.338 28.52,8.623 28.906,8.623 28.907,8.625 31.916,8.625 32.125,8.416 J4.9@32.125,7.275
  Bottom Layer w0.2: J7.7@4.63,33.81 5.877,32.563 12.238,32.563 12.801,32 v1(12.801,25.527) ; v1@12.801,25.5 U1.72@16.05,25.5
MISO: J1.17 U1.17 U3.7 | length 60.9
  Top Layer w0.2: U1.17@39.95,32 39.1,32.85 39.1,35.611 39.329,35.839 39.628,35.839 39.997,36.208 39.997,37.356 40.426,37.785 40.426,48.494 40.786,48.854 v1(41.858,48.854)
  Bottom Layer w0.2: v1(41.858,48.854) 41.858,49.563 42.174,49.878 46.106,49.878 46.354,50.127 46.354,53.34 46.761,53.746 47.365,53.746 ; J1.17@47.365,55.275 47.365,53.746 ; U3.7@70.328,45.465 70.328,47.832 70.205,47.955 70.205,52.38 68.838,53.746 47.365,53.746
MOSI: J1.18 U1.18 U3.6 | length 56
  Top Layer w0.2: v1(44.825,33.75) 44.825,40.919 45.177,41.272 v1(45.177,47.427) ; v1(47.365,47.396) J1.18@47.365,52.735 ; v1(69.265,46.076) 69.265,41.963 69.419,41.808 72.705,41.808 72.868,41.971 U3.6@72.868,42.925
  Bottom Layer w0.2: U1.18@41.95,32.5 42.05,32.5 43.3,33.75 v1(44.825,33.75) ; v1(45.177,47.427) 45.208,47.396 v1(47.365,47.396) 67.944,47.396 v1(69.265,46.076)
NetB1_1: B1.1 J15.1 | length 30.4
  Top Layer w0.2: v1(68.757,38.202) v1(68.757,45.161)
  Bottom Layer w0.2: J15.1@62.755,45.725 64.186,45.725 64.517,46.056 67.862,46.056 v1(68.757,45.161) ; v1(68.757,38.202) 68.757,24.943 69.265,24.435 72.065,24.435 B1.1@72.175,24.325
NetC2_1: C2.1 J19.3 Y2.1 | length 18.8
  Top Layer w0.2: Y2.1@47.365,27.6 47.365,27.153 47.973,26.545 47.975,26.545 C2.1@47.975,26.1
  Bottom Layer w0.2: Y2.1@47.365,27.6 48.259,27.6 49.923,29.264 54.835,29.264 54.989,29.417 54.989,35.271 55.243,35.525 J19.3@57.675,35.525
NetC7_1: C7.1 J24.3 Y1.2 | length 26.9
  Top Layer w0.2: C7.1@47.6,45.225 47.6,44.176 47.726,44.05 48.455,44.05 48.675,43.83 Y1.2@48.675,42.6 48.64,42.565 48.64,41.069 v1(48.663,41.046) ; v1(55.143,41.046) 55.143,28.425 55.668,27.9 J24.3@57.675,27.9
  Bottom Layer w0.2: v1(48.663,41.046) v1(55.143,41.046)
NetC8_1: C8.1 J28.3 Y1.1 | length 23.7
  Top Layer w0.2: Y1.1@48.675,38.7 48.675,37.634 48.411,37.37 47.751,37.37 47.6,37.219 C8.1@47.6,36.145 47.6,34.69 47.235,34.325 47.235,32.551 47.528,32.258 51.502,32.258 51.841,31.919 51.841,27.153 52.298,26.695 55.656,26.695 55.99,26.361 55.99,25.835 56.475,25.35 J28.3@57.675,25.35
NetC9_1: C9.1 J17.3 | length 8.5
  Top Layer w0.2: v1(53.111,39.649) 52.958,39.802 52.958,41.405 53.515,41.961 C9.1@53.515,42.925
  Bottom Layer w0.2: v1(53.111,39.649) 56.699,39.649 J17.3@57.675,40.625
NetC10_1: C10.1 J26.3 Y2.2 | length 8.7
  Top Layer w0.2: Y2.2@47.365,29 47.365,30.13 J26.3@48.235,31 49.058,30.177 49.058,26.392 49.35,26.1 C10.1@50.279,26.1
NetC11_1: C11.1 J18.3 | length 6.7
  Top Layer w0.2: C11.1@53.515,40.625 53.515,40.107 53.568,40.053 v1(53.568,38.075)
  Bottom Layer w0.2: v1(53.568,38.075) J18.3@57.675,38.075
NetC14_2: C14.2 U4.7 Y3.2 | length 6.2
  Top Layer w0.2: Y3.2@66.275,28 66.275,30.149 66.526,30.4 C14.2@67.175,30.4 67.642,30.4 67.759,30.283 67.759,29.307 68.016,29.05 U4.7@69.119,29.05
NetC15_2: C15.2 U4.8 Y3.1 | length 9.5
  Top Layer w0.2: C15.2@67.2,21.6 67.191,21.609 66.516,21.609 66.275,21.851 Y3.1@66.275,24.1 66.275,25.383 66.392,25.5 68.757,25.5 69.113,25.856 69.113,27.78 U4.8@69.119,27.78
NetC16_1: C16.1 D8.2 D10.1 R14.1 R15.1 U4.16 | length 48
  Top Layer w0.2: D10.1@65.2,32.725 65.941,32.725 66.166,32.5 66.166,31.572 66.446,31.293 67.944,31.293 68.109,31.128 68.109,30.963 ; D8.2@65.375,19.15 66.52,19.15 67.91,20.539 70.45,20.539 70.738,20.828 70.738,29.05 70.096,29.693 68.274,29.693 68.109,29.857 68.109,30.963 ; C16.1@67.2,37.125 67.311,37.236 68.31,37.236 ; R14.1@76.65,31.925 76.113,31.925 75.996,32.042 75.996,34.95 76.65,35.604 R15.1@76.65,36.45 75.683,36.45 75.463,36.67 U4.16@74.519,36.67 74.37,36.67 73.804,37.236 68.31,37.236 ; 68.109,30.963 70.135,30.963 70.299,31.127 70.299,33.42 70.09,33.63 68.469,33.63 68.31,33.789 68.31,37.236
NetD1_2: D1.2 R9.1 | length 1.8
  Top Layer w0.2: D1.2@11.975,42.1 11.975,42.977 12,43.002 R9.1@12,43.9
NetD2_1: D2.1 J10.1 | length 14
  Bottom Layer w0.5: J10.1@82,46.95 82,49.626 82.234,49.86 88.862,49.86 89.675,50.673 D2.1@89.675,53.875
NetD2_2: D2.2 J9.3 | length 8.6
  Top Layer w0.5: D2.2@79.675,53.875 83.957,53.875 84.25,54.168 J9.3@84.25,58.05
NetD3_1: D3.1 R1.2 | length 1.8
  Top Layer w0.2: R1.2@81.3,56.564 D3.1@81.3,58.392
NetD4_1: D4.1 R2.1 | length 2.7
  Top Layer w0.2: R2.1@67.21,13.83 D4.1@69.909,13.83
NetD5_1: D5.1 R3.1 | length 3
  Top Layer w0.2: R3.1@67.21,16.103 67.21,15.965 69.909,15.965 D5.1@69.909,16.103
NetD6_2: D6.2 R10.1 | length 6.1
  Top Layer w0.2: R10.1@12,16.05 10.942,16.05 10.825,16.167 10.825,19.708 11.117,20 D6.2@12,20
NetD7_1: D7.1 R11.1 | length 3.5
  Top Layer w0.2: R11.1@49.6,21.975 D7.1@53.125,21.975
NetD8_1: D8.1 D9.2 | length 3.7
  Top Layer w0.2: D8.1@69.075,19.15 72.204,19.15 D9.2@72.599,19.545
NetD9_1: D9.1 J14.1 | length 22.5
  Top Layer w0.2: D9.1@76.225,19.1 v1(76.225,22.454)
  Bottom Layer w0.2: v1(76.225,22.454) 76.225,26.425 76.876,27.076 82.076,27.076 82.5,27.5 82.5,34.525 J14.1@81.5,35.525
NetD10_2: D10.2 R16.1 | length 2.2
  Top Layer w0.2: D10.2@67.2,32.725 R16.1@67.2,34.925
NetD11_1: D11.1 R14.2 | length 2.3
  Top Layer w0.2: D11.1@78.625,29.65 78.625,31.9 R14.2@78.65,31.925
NetD11_2: D11.2 J23.2 U4.3 | length 44.3
  Top Layer w0.2: U4.3@69.119,34.13 73.11,34.13 73.227,34.013 73.227,30.48 74.04,29.667 76.625,29.667 D11.2@76.625,29.65 ; D11.2@76.625,29.65 v1(77.88,29.65)
  Bottom Layer w0.2: v1(77.88,29.65) 79.175,29.65 79.675,30.15 79.675,35.906 80.32,36.551 90.779,36.551 92.715,34.615 J23.2@92.715,24.925
NetD12_1: D12.1 R15.2 | length 2.3
  Top Layer w0.2: D12.1@78.65,34.125 78.65,35.281 R15.2@78.65,36.45
NetD12_2: D12.2 J22.1 U4.2 | length 38.6
  Top Layer w0.2: U4.2@69.119,35.4 69.265,35.4 v1(69.265,34.773) ; v1(74.98,21.92) v1(74.98,27.076) ; D12.2@76.65,34.125 76.52,33.995 76.675,33.839 v1(76.675,33.05)
  Bottom Layer w0.2: v1(69.265,34.773) 69.265,31.83 69.457,31.638 76.008,31.771 ; v1(74.98,21.92) 76.479,21.92 76.775,22.217 76.775,26.199 77.001,26.425 84.283,26.425 84.4,26.308 J22.1@84.4,24.925 ; v1(74.98,27.076) 76.009,28.106 76.009,32.384 v1(76.675,33.05)
NetJ8_1: J8.1 J9.1 | length 52.4
  Top Layer w0.5: J8.1@81.5,16.85 81.5,18.618 81.856,18.974 90.649,18.974 91.525,19.85 91.525,57.498 90.973,58.05 J9.1@89.33,58.05
NetJ8_2: J8.2 R13.1 | length 7.1
  Top Layer w0.2: R13.1@76.75,11.6 80.9,11.6 81.5,12.2 J8.2@81.5,14.35
NetJ8_3: J8.3 R12.1 | length 11.6
  Top Layer w0.2: R12.1@76.75,9.325 83.225,9.325 83.5,9.6 J8.3@83.5,14.35
NetJ9_2: J9.2 U2.3 | length 15.6
  Top Layer w0.5: U2.3@76.493,51.661 77.936,51.661 78.882,52.607 82,52.607 82.368,52.975 86.215,52.975 86.79,53.55 J9.2@86.79,58.05
NetJ11_2: J11.2 R4.2 | length 6.1
  Top Layer w0.2: J11.2@2.7,8.7 5.665,8.7 6,9.035 R4.2@6,11.7
NetJ12_2: J12.2 R5.2 | length 18.3
  Top Layer w0.2: J12.2@2.7,51.3 3.741,51.3 4.275,51.834 4.275,55.745 4.8,56.27 7.8,56.27 8,56.07 8,51.91 6,49.91 R5.2@6,48.3
NetJ13_2: J13.2 R3.2 | length 20.7
  Top Layer w0.2: J13.2@60.215,20.25 59.92,20.25 59.215,19.545 59.215,12.21 59.575,11.85 65.941,11.85 66.157,12.066 66.157,15.887 65.941,16.103 R3.2@65.21,16.103
NetJ13_4: J13.4 R2.2 | length 8.7
  Top Layer w0.2: J13.4@60.215,17.71 60.215,14.16 60.545,13.83 R2.2@65.21,13.83
NetJ14_2: J14.2 U4.6 | length 17.6
  Top Layer w0.2: U4.6@69.119,30.32 71.914,30.32 73.946,28.288 v1(77.275,28.288)
  Bottom Layer w0.2: v1(77.275,28.288) 80.813,28.288 81.5,28.975 J14.2@81.5,33.025
NetJ14_3: J14.3 U4.5 | length 23.1
  Top Layer w0.2: U4.5@69.119,31.59 69.732,31.59 69.849,31.707 v1(69.849,32.436) ; v1(79.675,37.828) 82.347,37.828 82.5,37.675 82.5,34.025 J14.3@83.5,33.025
  Bottom Layer w0.2: v1(69.849,32.436) 74.945,32.436 76.009,33.5 78,33.5 78.765,34.265 78.765,36.255 79.675,37.165 v1(79.675,37.828)
PIN01: J1.1 U1.1 | length 71.9
  Top Layer w0.2: v1(37.236,49.505) 37.236,45.006 37.602,44.64 37.602,40.688 37.241,40.327 37.241,24.544 38.869,22.916 41.947,22.916 43.031,24 U1.1@43.95,24
  Bottom Layer w0.2: v1(37.236,49.505) 37.236,49.931 37.548,50.244 45.689,50.244 45.973,50.529 45.973,56.058 46.202,56.286 48.333,56.286 48.663,55.956 48.663,54.591 49,54.254 66.664,54.254 J1.1@67.685,55.275
PIN02: J1.2 U1.2 | length 56.8
  Top Layer w0.2: U1.2@39.95,24.5 39.304,24.5 38.4,25.404 38.4,36.453 40.076,38.13 40.076,48.639 40.866,49.428 v1(42.361,49.428)
  Bottom Layer w0.2: v1(42.361,49.428) 67.139,49.428 67.685,49.974 J1.2@67.685,52.735
PIN03: J1.3 U1.3 | length 69.5
  Top Layer w0.2: v1(36.575,54.254) 36.205,53.884 36.205,52.224 38.384,50.045 38.384,42.933 38.656,42.661 38.656,41.248 37.591,40.182 37.591,24.689 39.014,23.266 41.575,23.266 v1(41.95,23.642)
  Bottom Layer w0.2: v1(36.575,54.254) 40.512,54.254 40.766,54.508 40.766,56.388 41.071,56.693 64.739,56.693 65.145,56.286 J1.3@65.145,55.275 ; v1(41.95,23.642) U1.3@41.95,25
PIN04: J1.4 U1.4 | length 82.3
  Top Layer w0.2: J1.4@65.145,52.735 66.41,54 v1(70.325,54)
  Bottom Layer w0.2: U1.4@43.95,25.5 49.599,25.5 49.757,25.658 49.757,28.108 50.137,28.488 55.433,28.488 55.689,28.744 55.689,31.148 55.986,31.445 61.239,31.445 61.493,31.699 61.493,38.887 61.874,39.268 68.728,39.268 69.457,38.539 69.457,35.965 70.248,35.175 77.006,35.175 79.175,37.344 79.175,46.529 78.307,47.396 72.925,47.396 72.567,47.754 72.567,53.573 72.14,54 v1(70.325,54)
PIN05: J1.5 U1.5 | length 78.2
  Top Layer w0.2: v1(42.798,22.835) v1(42.798,22.835) 42.799,21.526 v1(42.8,21.525) ; J1.5@62.605,55.275 62.605,56.559 62.846,56.8 69.209,56.8 v1(69.595,56.413) ; v1(67.944,38.202) 67.944,47.96 68.109,48.125 v1(70.738,48.125)
  Bottom Layer w0.2: U1.5@39.95,26 39.992,26 40.802,25.19 40.802,23.348 41.316,22.835 v1(42.798,22.835) ; v1(42.8,21.525) 43.875,21.525 43.95,21.6 58.866,21.6 59.116,21.35 67.35,21.35 67.944,21.944 v1(67.944,38.202) ; v1(69.595,56.413) 69.595,53.484 70.738,52.341 v1(70.738,48.125)
PIN06: C13.2 J1.6 J15.3 | length 19.5
  Top Layer w0.2: v1(54.812,51.486) 53.515,50.188 C13.2@53.515,45.225 55.345,45.225 55.845,45.725 J15.3@57.675,45.725
  Bottom Layer w0.2: v1(54.812,51.486) 61.356,51.486 J1.6@62.605,52.735
PIN06_D: J15.2 U1.6 | length 40.1
  Top Layer w0.2: v1(41.294,46.526) 41.294,36.293 40.908,35.906 40.908,27.442 41.85,26.5 U1.6@41.95,26.5
  Bottom Layer w0.2: v1(41.294,46.526) 43.706,46.526 43.916,46.736 59.204,46.736 J15.2@60.215,45.725
PIN07: J1.7 U1.7 | length 63.8
  Top Layer w0.2: U1.7@43.95,27 43.95,26.822 42.824,25.696 42.824,24.663 42.296,24.136 41.294,24.136 40.908,23.749 39.064,23.749 37.947,24.867 37.947,39.95 39.006,41.01 39.006,42.806 38.734,43.078 38.734,56.363 39.453,57.082 59.715,57.082 60.065,56.732 J1.7@60.065,55.275
PIN08: J1.8 J19.1 | length 18.3
  Top Layer w0.2: J1.8@60.065,52.735 60.065,49.752 61.589,48.228 61.589,36.691 J19.1@62.755,35.525
PIN08_D: J19.2 U1.8 | length 40.1
  Top Layer w0.2: v1(39.547,36.398) 38.961,36.398 38.75,36.188 38.75,27.737 38.987,27.5 U1.8@39.95,27.5
  Bottom Layer w0.2: v1(39.547,36.398) 40.651,36.398 41.623,37.37 47.871,37.37 49.21,36.032 51.604,36.032 51.968,35.668 51.968,32.452 52.298,32.121 53.937,32.121 54.315,32.5 54.315,36.144 54.696,36.525 59.215,36.525 J19.2@60.215,35.525